# Altium PCB spin5v1_simple.PcbDoc (part 12 of 25)
Units mm, origin at the board's own origin, x right, y up, seen from the top; angles counter-clockwise.
Board outline 220.03 x 233.43 mm, 2 copper layers (TOP, BOTTOM), stack 0.176 mm thick; 1457 components, 4724 nets, 19245 pads, 25289 vias.
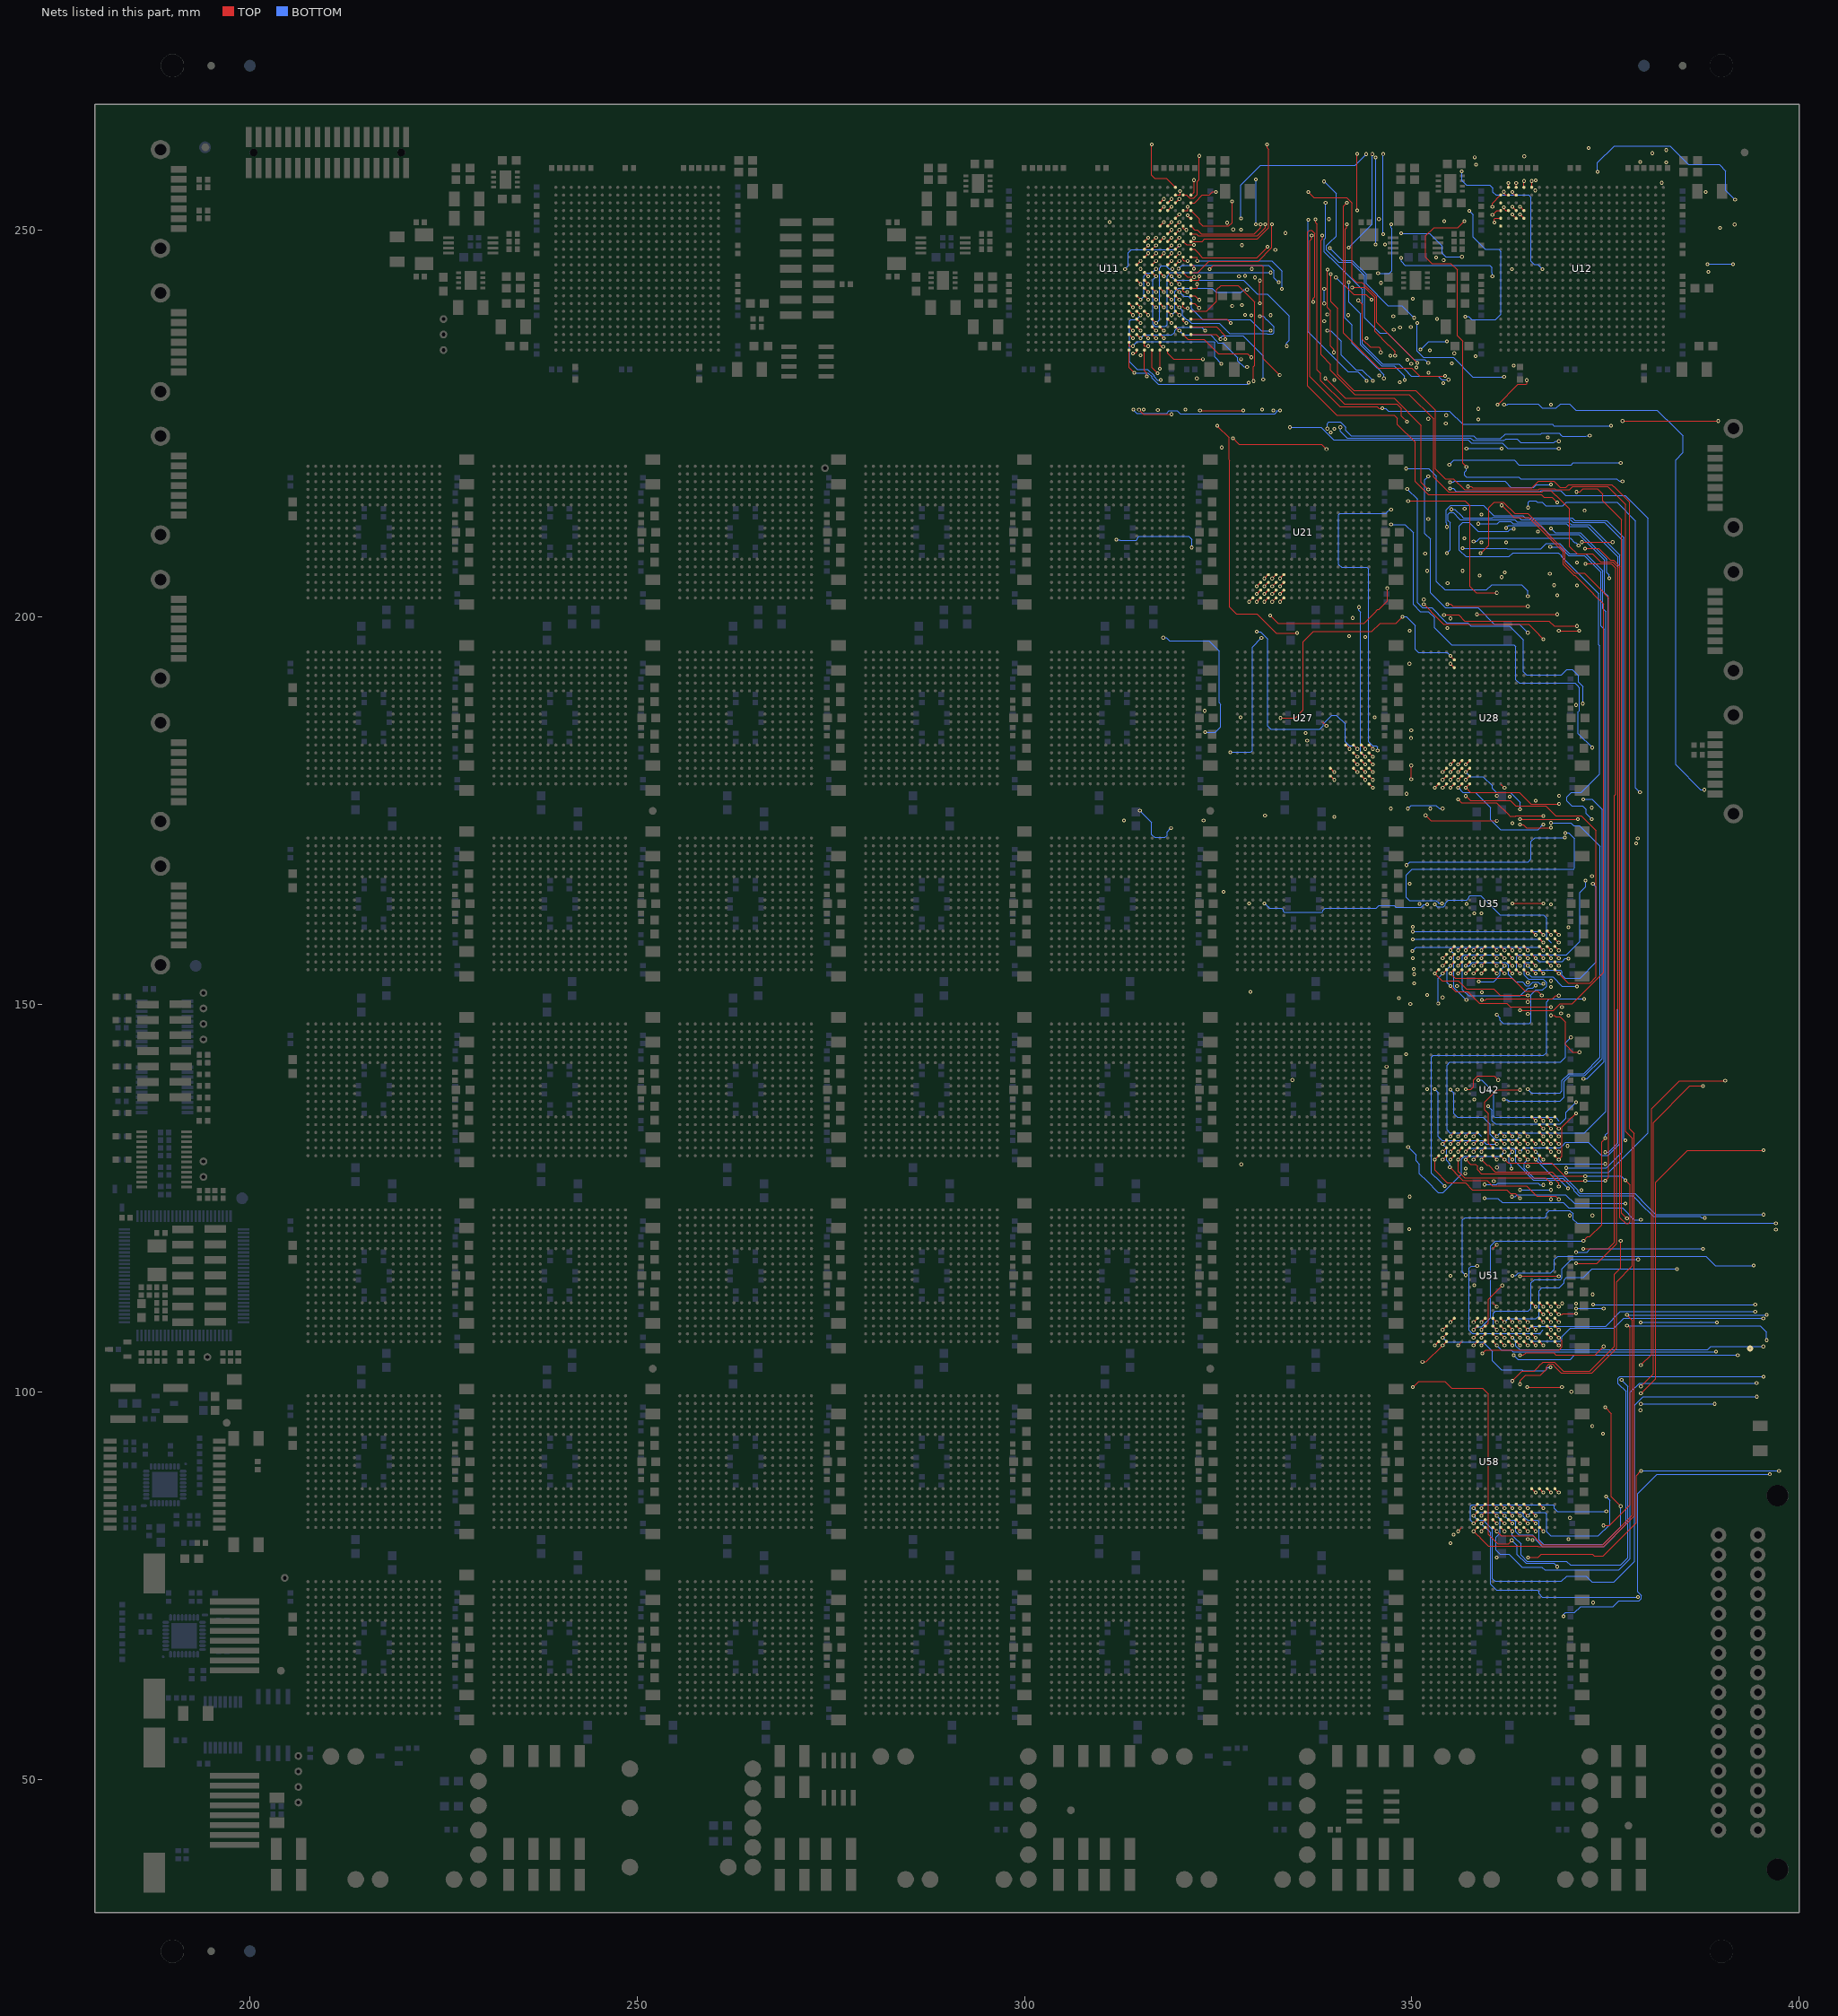
[diagram p12: the nets of this part, all layers, seen from the top]

## Via types
v1: diameter 0.48, hole 0.25, TOP to BOTTOM, 22348 vias
v2: diameter 0.61, hole 0.3, TOP to BOTTOM, 2059 vias
v3: diameter 0.8, hole 0, TOP to BOTTOM, 882 vias

## Nets (pads, with @x,y where several pads share a name; then routed paths per layer and width w, separated by ;. In a path a pad name is that pad's centre, name@x,y a point inside that pad or via, vN(x,y) a via of type N, cw(c..) or ccw(c..) an arc to the next point about the centre after c; other vN are vias at no path point) (continued)
S27_L1<14>: U27.U13 U28.B5 | length 36.4
  TOP w0.127: v1(333.066,186.996) 334.984,186.996 336,188.012 336,196.818 337.334,198.152 344.879,198.152 345.941,199.214 347.995,199.214 v1(348.838,200.057)
  BOTTOM w0.127: v1(348.838,200.057) 349.315,200.057 350.458,198.914 350.458,195.877 350.903,195.432 354.568,195.432 v1(355,195)
  other v1: 340,179
S27_L1<15>: U27.T13 U28.C5
  other v1: 340,180 355,194
S27_L2<0>: U21.R5 U27.R16
  other v1: 343,181 342.4,199.904 331,205
S27_L2<1>: U21.V3 U27.N15
  other v1: 342,183 344,197.467 329,202
S27_L2<2>: U21.V4 U27.N16 | length 28.8
  BOTTOM w0.127: v1(330,198.136) 330.478,198.136 331.431,197.183 331.431,185.95 331.812,185.569 338.124,185.569 338.569,186.014 338.569,186.219 339.712,187.362 340.288,187.362 341.431,186.219 341.431,183.939 341.939,183.431 342.569,183.431 v1(343,183)
  other v1: 339,186 330,202
S27_L2<3>: U21.U4 U27.N17
  other v1: 344,183 345.24,187.067 330,203
S27_L2<4>: U21.T4 U27.N18
  other v1: 345,183 336.513,184.067 330,204
S27_L2<5>: U21.V5 U27.P16
  other v1: 343,182 341.917,197.558 331,202
S27_L2<6>: U21.U5 U27.P17 | length 38.1
  TOP w0.127: v1(331.716,200.243) 332.748,199.211 343.845,199.211 345.433,200.799 345.433,200.84 345.632,201.039 345.775,201.039 346.855,202.119 v1(346.855,203.742)
  BOTTOM w0.127: v1(343.2,201.304) 343.2,200.873 343.431,200.642 343.431,182.569 v1(344,182)
  other v1: 331,203
S27_L2<7>: U21.T5 U27.P18 | length 18
  BOTTOM w0.127: v1(326.569,182.569) 329.232,182.569 329.431,182.768 329.431,196.167 v1(330.6,197.336)
  other v1: 345,182 331,204
S27_L2<8>: U21.R7 U27.V18
  other v1: 347.3,175.304 345,178 333,205
S27_L2<9>: U21.V6 U27.R17
  other v1: 344,181 332,202
S27_L2<10>: U21.U6 U27.R18
  other v1: 345,181 332,203
S27_L2<11>: U21.T6 U27.T16
  other v1: 343,180 332,204
S27_L2<12>: U21.R6 U27.T17
  other v1: 344,180 332,205
S27_L2<13>: U21.V7 U27.T18
  other v1: 345,180 333,202
S27_L2<14>: U21.U7 U27.U17
  other v1: 344,179 333,203
S27_L2<15>: U21.T7 U27.U18
  other v1: 345,179 333,204
S28_L0<0>: U11.M16 U35.R11
  other v1: 362,157 350.138,160.038 352.4,175.297 351.742,208.241 341.805,239.001 316,244
S28_L0<1>: U11.N16 U35.V10 | length 13.7
  BOTTOM w0.127: v1(348.658,246.4) 348.658,245.939 349.166,245.431 360.077,245.431 360.395,245.113 360.395,244.47 360.434,244.431 v1(360.434,244)
  other v1: 361,154 316,243
S28_L0<2>: U11.P16 U35.U10
  other v1: 361,155 355.008,199.857 316,242
S28_L0<3>: U11.P17 U35.T10 | length 8.5
  TOP w0.127: v1(343.119,240.907) 343.648,240.378 343.648,235.894 344.664,234.878 345.753,234.878 346.007,234.624 v1(346.007,234.193)
  other v1: 361,156 317,242 329.376,244.964
S28_L0<4>: U11.R16 U35.R10
  other v1: 361,157 329.297,238.985 339.11,239.107 316,241
S28_L0<5>: U11.R17 U35.V11 | length 10.5
  TOP w0.127: v1(354.608,201.681) 355.039,201.681 355.305,201.415 v1(365,201.415)
  other v1: 365,152.869 362,154 348.484,230.33 322.265,230.831 317,241
S28_L0<6>: U11.T17 U35.U11 | length 24.6
  BOTTOM w0.127: v1(317.917,197.359) 318.348,197.359 318.762,196.945 323.816,196.945 325.15,195.611 325.15,188.945 325.353,188.742 325.353,185.856 324.654,185.157 v1(323.333,185.157) ; v1(358.672,152.972) 360.605,152.972 361.431,153.798 361.431,154.431 v1(362,155)
  other v1: 331.068,174.421 327.931,187.069 317,240
S28_L0<7>: U11.U16 U35.T11 | length 20.3
  BOTTOM w0.127: 362,156 361.569,156.431 356.768,156.431 356.569,156.232 356.569,151.928 357.363,151.134 364.041,151.134 365.042,152.135 365.667,152.135 v1(366,152.468)
  other v1: 316,239
S28_L0<8>: U11.V17 U35.R9 | length 31.3
  TOP w0.127: v1(323.912,244.927) 324.416,245.431 330.634,245.431 330.833,245.232 330.833,233.404 v1(332.971,231.266)
  BOTTOM w0.127: v1(317,238) 317.431,238.431 317.431,245.108 317.685,245.362 318.272,245.362 318.668,244.966 v1(319.099,244.966)
  other v1: 359,157
S28_L0<9>: U11.W17 U35.V8
  other v1: 358,154 317,237
S28_L0<10>: U11.Y16 U35.U8
  other v1: 358,155 349.746,165.6 340,174.227 323.267,187.917 316,236
S28_L0<11>: U11.Y17 U35.T8
  other v1: 358,156 358.067,161.758 349.955,185.4 317,236
S28_L0<12>: U11.AA16 U35.R8
  other v1: 350.138,156 358,157 349.742,198.274 347.254,233.761 316,235
S28_L0<13>: U11.AA18 U35.V9
  other v1: 359,154 351,163 317.931,234.901
S28_L0<14>: U11.AB17 U35.U9
  other v1: 359,155 358.6,225.532 332.141,226.687 317.216,231.491
S28_L0<15>: U11.AB18 U35.T9
  other v1: 359,156 317.5,232.098
S28_L1<0>: U11.L15 U35.V16
  other v1: 367,154 315,246
S28_L1<1>: U11.N15 U35.V14 | length 78.5
  BOTTOM w0.127: v1(336.655,251.315) 336.655,236.841 341.799,231.697 343.033,231.697 v1(344.2,230.53) ; v1(349.427,216.556) 350.735,215.248 350.735,201.885 351.37,201.25 352.621,201.25 353.447,200.424 353.447,200.372 354.527,199.292 357.218,199.292 357.644,198.866 362.653,198.866 364.431,197.088 364.431,192.95 364.812,192.569 369.331,192.569 370.039,193.277 370.733,193.277 371.559,192.451 371.559,191.609 372.099,191.069 v1(372.099,188.85) ; v1(365,154) 365.446,153.554 368.224,153.554 369.425,152.353 v1(371.335,152.353)
  other v1: 315,243
S28_L1<2>: U11.R15 U35.U14 | length 92
  BOTTOM w0.127: v1(315,241) 315.431,241.431 315.431,244.05 315.812,244.431 316.465,244.431 v1(317,244.966) ; v1(340.217,243.865) 341.374,242.708 341.374,238.662 342.312,237.724 342.312,235.38 345.487,232.205 345.518,232.205 346.407,231.316 v1(346.407,230.83) ; v1(347.336,211.969) 349.147,211.969 350.227,210.889 350.227,201.631 351.116,200.742 352.177,200.742 352.939,199.98 352.939,198.654 355.162,196.431 363.232,196.431 363.431,196.232 363.431,191.941 363.876,191.496 371.106,191.496 371.305,191.297 371.305,191.266 371.668,190.903 371.668,187.951 371.5,187.783 371.5,184.998 v1(373.317,183.181) ; v1(365,155) 365.569,154.431 369.232,154.431 369.431,154.232 369.431,153.831 369.828,153.434 371.798,153.434 373.83,155.466 373.83,165.186 v1(373.399,165.617)
  other v1: 329.776,243.865
S28_L1<3>: U11.T14 U35.T14
  other v1: 365,156 314,240
S28_L1<4>: U11.T15 U35.R14
  other v1: 365,157 367.999,227.445 315,240 346.558,248.12
S28_L1<5>: U11.U14 U35.V15
  other v1: 366,154 372.316,213.761 356.845,214.005 355.5,234.083 314,239 326.833,240.17
S28_L1<6>: U11.U15 U35.U15 | length 30
  BOTTOM w0.127: v1(315,239) 314.431,238.431 313.768,238.431 313.569,238.232 313.569,233.001 314.585,231.985 315.914,231.985 316.74,231.159 316.74,231.075 317.185,230.63 v1(317.616,230.63) ; v1(361,148.693) 361.431,148.262 361.431,147.95 361.812,147.569 365.232,147.569 365.431,147.768 365.431,151.246 366.066,151.881 366.923,151.881 367.431,152.389 367.431,152.855 366.986,153.3 365.077,153.3 364.569,153.808 364.569,155.232 364.768,155.431 365.569,155.431 v1(366,155)
  other v1: 362.672,176.842 362.035,205.781 352,205.993 352.142,225.624 317.226,226.767 330.674,226.814
S28_L1<7>: U11.V15 U35.T15 | length 32.6
  BOTTOM w0.127: v1(349.327,168) 349.758,168.431 365.05,168.431 365.431,168.812 365.431,171.044 365.939,171.552 v1(369.8,171.552) ; v1(349.519,175.297) 349.95,175.728 353.145,175.728 353.569,175.304 v1(354,175.304) ; v1(366,156) 366.432,155.568 369.435,155.568 369.8,155.933 v1(370.231,155.933)
  other v1: 320.8,226.804 315.4,226.814 352.345,234.444 315,238
S28_L1<8>: U11.W14 U35.R13
  other v1: 364,157 359,161.759 352.173,231.576 327.964,233.317 315,233.831 314,237
S28_L1<9>: U11.W15 U35.V12
  other v1: 348.367,150.838 363,154 350.266,154.6 315,237
S28_L1<10>: U11.Y14 U35.U12
  other v1: 363,155 363.17,232.495 314,236 333.689,249.6 326.965,250.065
S28_L1<11>: U11.Y15 U35.T12 | length 9.2
  BOTTOM w0.127: v1(315,236) 315.432,236.432 319.05,236.432 319.431,236.813 319.431,237.05 319.812,237.431 322.888,237.431 v1(323.319,237)
  other v1: 363,156
S28_L1<12>: U11.AA14 U35.R12 | length 35.3
  TOP w0.127: v1(351.563,201.681) 353.424,199.82 353.424,199.81 354.123,199.111 365.097,199.111 366.431,197.777 366.431,197.732 v1(367,197.163) ; v1(362.998,163.069) v1(367,163.069)
  BOTTOM w0.127: 314,235 314.566,235.566 324.461,235.566 324.561,235.466 324.561,233.587 v1(325.421,232.727)
  other v1: 363,157 350.602,232.237
S28_L1<13>: U11.AB14 U35.V13 | length 64.6
  BOTTOM w0.127: v1(314.2,231.554) 315.978,231.554 316.486,231.046 316.486,230.91 317.312,230.084 328.784,230.084 v1(328.971,230.271) ; v1(340.8,224.52) 340.8,224.031 341.689,223.142 357.595,223.142 357.914,222.823 361.947,222.823 362.147,223.023 363.6,223.023 364.069,222.554 368.392,222.554 368.569,222.731 v1(369,222.731) ; v1(364,154) 363.568,154.432 363.568,156.177 363.822,156.431 369.983,156.431 371.698,158.146 371.698,164.448 372.465,165.215 v1(372.465,166.017)
S28_L1<14>: U11.AB15 U35.U13 | length 9.5
  TOP w0.127: v1(351.8,174.434) 352.507,173.727 v1(361,173.727)
  other v1: 364,155 349.717,194 340,224.32 340,230.63 314,234.065
S28_L1<15>: U11.AB16 U35.T13
  other v1: 364,156 325.472,221.916 315.801,231.092
S28_L2<0>: U28.R5 U35.R16 | length 17.3
  BOTTOM w0.127: v1(350.107,156.931) 350.607,157.431 366.569,157.431 v1(367,157)
  other v1: 355,181
S28_L2<1>: U28.V3 U35.N15
  other v1: 366,159 353,178
S28_L2<2>: U28.V4 U35.N16 | length 17
  BOTTOM w0.127: v1(350.138,159.431) 366.569,159.431 v1(367,159)
  other v1: 354,178
S28_L2<3>: U28.U4 U35.N17
  other v1: 368,159 368,162.931 366,176.321 354,179
S28_L2<4>: U28.T4 U35.N18 | length 35.3
  BOTTOM w0.127: v1(353.901,163.069) 353.47,163.069 353.47,163.113 353.152,163.431 349.692,163.431 349.311,163.812 349.311,166.742 350.073,167.504 370.951,167.504 371.051,167.604 371.051,171.397 370.289,172.159 v1(369.849,172.159)
  other v1: 369,159 354,180
S28_L2<5>: U28.V5 U35.P16 | length 17
  BOTTOM w0.127: v1(350.138,158.431) 366.569,158.431 v1(367,158)
  other v1: 355,178
S28_L2<6>: U28.U5 U35.P17 | length 20
  BOTTOM w0.127: v1(353,162.931) 353.293,162.638 354.133,162.638 354.332,162.837 354.332,163.053 354.777,163.498 357.113,163.498 357.431,163.816 357.431,163.966 357.531,164.066 358.943,164.066 361.443,161.566 367.05,161.566 367.431,161.185 367.431,158.569 368,158
  other v1: 355,179
S28_L2<7>: U28.T5 U35.P18
  other v1: 369,158 355,180
S28_L2<8>: U28.R7 U35.V18 | length 43.2
  TOP w0.127: v1(357,176.921) 357.596,176.325 362.75,176.325 363.439,175.636 367.296,175.636 368.582,174.35 371.925,174.35 373.83,172.445 373.83,153.578 373.036,152.784 370.216,152.784 v1(369,154)
  other v1: 357,181
S28_L2<9>: U28.V6 U35.R17 | length 14.4
  BOTTOM w0.127: v1(356,178) 356.597,177.403 358.224,177.403 360.193,175.434 360.193,173.867 361.463,172.597 366.335,172.597 v1(367,173.262)
  other v1: 368,157
S28_L2<10>: U28.U6 U35.R18
  other v1: 368,152.268 350.339,153.935 369,157 356,179
S28_L2<11>: U28.T6 U35.T16 | length 11.9
  TOP w0.127: v1(356,176.504) 356.433,176.071 360.972,176.071 362.496,174.547 362.496,174.542 362.695,174.343 363.423,174.343 363.43,174.35 v1(367,174.35)
  other v1: 367,156 356,180
S28_L2<12>: U28.R6 U35.T17 | length 5.9
  TOP w0.127: v1(349.955,179.095) v1(349.955,180.862) ; v1(364,173.228) 364.431,173.228 364.828,172.831 v1(368,172.831)
  other v1: 368,156 356,181
S28_L2<13>: U28.V7 U35.T18 | length 12.9
  TOP w0.127: v1(357,178) 357.597,177.403 363.918,177.403 365.431,175.89 v1(369.05,175.89)
  other v1: 369,156 370.231,160
S28_L2<14>: U28.U7 U35.U17
  other v1: 368,155 357.099,163 357,179
S28_L2<15>: U28.T7 U35.U18 | length 9.7
  BOTTOM w0.127: v1(357,180) 357.569,179.431 359.24,179.431 360.447,178.224 360.447,177.911 360.955,177.403 362.73,177.403 364,176.133 v1(364,175.205)
  other v1: 369,155 362,178
S29_L0<0>: U11.M17 U42.R11 | length 115.8
  BOTTOM w0.127: v1(317,244) 316.568,243.568 316.568,237.823 316.822,237.569 318.232,237.569 318.431,237.768 318.431,244.051 318.876,244.496 v1(331.802,244.496) ; v1(339.117,224.343) 339.117,225.006 339.316,225.205 340.786,225.205 341.485,224.506 341.485,224.095 342.184,223.396 358.008,223.396 358.327,223.077 361.493,223.077 362.093,223.677 366.709,223.677 366.801,223.769 369.055,223.769 369.254,223.57 369.254,223.553 369.453,223.354 372.475,223.354 372.569,223.448 v1(373,223.448) ; v1(361.912,137.742) 362.343,137.742 362.516,137.569 369.178,137.569 369.686,138.077 369.686,140.085 370.448,140.847 372.369,140.847 374.592,143.07 374.592,175.163 373.258,176.497 v1(372.16,176.497)
  other v1: 362,133 338.71,238.201 331.802,239.001
S29_L0<1>: U11.M18 U42.V10
  other v1: 370.431,122.778 373.344,122.778 361,130 366.299,211.056 318,244 327.705,243.996 362.961,244.931
S29_L0<2>: U11.M19 U42.U10 | length 38.3
  TOP w0.127: U42.U10@360.5,131.5 359.891,132.109 359.891,135.916 359.434,136.373 359.434,137.408 361.022,138.996 v1(364,138.996) ; v1(361.108,227.445) 363.747,230.084 364.796,230.084 364.867,230.155 v1(364.867,230.602)
  BOTTOM w0.127: v1(319,244) 319.504,243.496 328.317,243.496 330.063,241.75 331.367,241.75 334.225,238.892 334.225,235.786 333.87,235.431 v1(333.87,235)
  other v1: 355.171,232.769
S29_L0<3>: U11.N19 U42.T10 | length 14.3
  BOTTOM w0.127: v1(353,139.069) 353.431,138.638 353.431,132.939 353.939,132.431 359.178,132.431 359.609,132 v1(361,132)
  other v1: 354.608,198.607 356.594,205.995 347.634,238.87 319,243
S29_L0<4>: U11.N20 U42.R10 | length 136.3
  BOTTOM w0.127: v1(319.901,245) 320.332,245.431 331.534,245.431 332.233,244.732 332.233,243.835 v1(332.827,243.241) ; v1(341.881,243.241) 341.881,240.697 343.394,239.184 343.394,235.19 346.125,232.459 347.757,232.459 349.091,231.125 v1(349.091,230.637) ; v1(356.594,208.902) 362.28,208.902 362.361,208.821 366.694,208.821 367.375,209.502 369.117,209.502 370.006,208.613 370.006,208.585 370.403,208.188 372.451,208.188 374.674,205.965 374.674,201.151 375.1,200.725 375.1,136.225 372.306,133.431 361.431,133.431 361,133
  other v1: 320,243
S29_L0<5>: U11.N22 U42.V11 | length 126.3
  TOP w0.127: v1(326.941,223.116) 327.431,222.626 327.431,222.605 327.685,222.351 338.344,222.351 v1(339,221.695) ; v1(362,130) 362.464,129.536 368.063,129.536 369.333,128.266 369.333,128.25 369.73,127.853 v1(372.413,127.853) ; v1(372.381,208.873) 374.163,208.873 375.632,207.404 376.052,207.404 376.878,206.578 376.878,122.501 377.672,121.707 377.977,121.707 378.231,121.961 378.231,126.693 v1(377.6,127.324)
  BOTTOM w0.127: v1(372.413,127.853) 377.071,127.853 v1(377.6,127.324)
  other v1: 322.566,243.998
S29_L0<6>: U11.P20 U42.U11 | length 39.6
  TOP w0.127: v1(357,139.069) 357.672,139.069 357.99,139.387 357.99,140.288 358.498,140.796 360.637,140.796 v1(361.175,140.258)
  BOTTOM w0.127: v1(320,242) 320.569,241.431 321.189,241.431 321.586,241.034 321.586,239.892 323.047,238.431 329.177,238.431 330.608,237 v1(331.802,237) ; v1(349.542,131.622) 350.569,130.595 350.569,129.822 351,129.391 351,128.159 351.889,127.27 351.927,127.27 353.443,125.754 354.081,125.754 356.431,128.104 356.431,130.05 356.812,130.431 361.431,130.431 v1(362,131)
  other v1: 358.263,233.689
S29_L0<7>: U11.P21 U42.T11 | length 11
  TOP w0.127: v1(339.141,244.896) 339.141,239.996 339.549,239.588 339.549,235.024 339.948,234.625 v1(339.948,234.194)
  other v1: 359,128.809 362,132 321.034,242 328.505,244.065
S29_L0<8>: U11.P22 U42.R9 | length 106.2
  TOP w0.127: v1(337.282,240.701) 337.282,241.132 337.517,241.367 337.517,249.553 337.12,249.95 336.851,249.95 336.597,249.696 336.597,229.854 340.344,226.107 347.725,226.107 348.17,225.662 348.17,224.9 350.458,222.612 350.458,217.525 352.173,215.81 366.757,215.81 367.075,215.492 368.115,215.492 v1(368.8,214.807) ; v1(369,198.254) v1(371.636,198.254)
  BOTTOM w0.127: 359,133 358.569,133.431 354.95,133.431 354.569,133.812 354.569,142.185 354.95,142.566 369.227,142.566 369.862,143.201 369.862,145.066 v1(370.557,145.761)
  other v1: 322.312,243
S29_L0<9>: U11.R20 U42.V8
  other v1: 358,130 358.067,137.742 320,241
S29_L0<10>: U11.R22 U42.U8 | length 34.2
  TOP w0.127: v1(324.9,224.721) 326.411,223.21 326.411,220.365 326.519,220.257 326.519,201.276 327.345,200.45 330.039,200.45 332.531,197.958 v1(335.2,197.958)
  other v1: 358,131 334.6,140.258 346.77,141.992 322.566,240.968
S29_L0<11>: U11.T20 U42.T8 | length 17.2
  BOTTOM w0.127: v1(320,240) 320.432,239.568 320.432,238.939 320.94,238.431 321.086,238.431 321.578,237.939 325.167,237.939 326.503,236.603 331.324,236.603 331.358,236.569 332.034,236.569 332.233,236.768 332.233,237.479 331.28,238.432 331.263,238.432 330.833,238.862 v1(330.402,238.862)
  other v1: 358,132 361.635,205.174 358.794,205.396 344.2,236
S29_L0<12>: U11.T21 U42.R8
  other v1: 358,133 352,151.238 321.068,239.907
S29_L0<13>: U11.T22 U42.V9 | length 126.4
  TOP w0.127: v1(322.665,226.685) v1(328.262,226.685) ; v1(358.897,208.272) 359.939,209.314 359.939,214.171 360.638,214.87 361.83,214.87 363.317,213.383 365.013,213.383 369.839,208.557 369.839,206.952 371.109,205.682 372.274,205.682 374.243,203.713 374.243,203.708 375.431,202.52 375.431,127.677 v1(375,127.246) ; v1(359,130) 359.76,129.24 359.939,129.24 360.777,128.402 368.126,128.402 369.079,127.449 369.079,127.445 369.278,127.246 v1(372.413,127.246)
  BOTTOM w0.127: v1(372.413,127.246) v1(375,127.246)
  other v1: 322.555,239.931
S29_L0<14>: U11.U20 U42.U9 | length 84.9
  BOTTOM w0.127: v1(357.069,221.792) v1(361.635,221.792) ; v1(359.865,136.865) 360.371,136.359 360.371,135.014 360.816,134.569 369.178,134.569 369.94,135.331 369.94,136.11 v1(371.238,137.408) ; v1(363.2,211.391) 362.769,211.391 362.453,211.075 358.563,211.075 357.409,212.229 356.608,212.229 356.163,211.784 356.163,208.667 356.989,207.841 362.587,207.841 363.071,208.325 368.95,208.325 369.331,207.944 369.331,207.861 371.363,205.829 371.372,205.829 374.166,203.035 374.166,196.423 374.281,196.308 374.281,179.772 371.868,177.359 370.596,177.359 370.024,176.787 370.024,176.278 370.659,175.643 372.095,175.643 372.54,175.198 372.54,174.644 v1(373.265,173.919)
  other v1: 359,131 320,239
S29_L0<15>: U11.U22 U42.T9 | length 21.7
  TOP w0.127: U11.U22@321.5,239.5 323.545,239.5 324.815,240.77 324.815,242.276 325.387,242.848 327.569,242.848 329.728,240.689 329.728,232.514 329.578,232.364 v1(329.578,230.486)
  other v1: 359,132 349.327,177.215 339.57,223.866
S29_L1<0>: U11.P18 U42.V16 | length 74.8
  BOTTOM w0.127: v1(367.9,209.071) 369.188,209.071 369.585,208.674 369.585,208.633 370.284,207.934 372.324,207.934 374.42,205.838 374.42,198.865 374.846,198.439 374.846,142.639 372.623,140.416 v1(372.191,140.416)
  other v1: 367,130 359,209.674 318,242
S29_L1<1>: U11.P19 U42.V14 | length 116.8
  BOTTOM w0.127: v1(350.714,238) 350.714,234.355 351.54,233.529 355.37,233.529 357.866,231.033 v1(361.935,231.033) ; v1(361.935,227.445) 362.366,227.445 362.467,227.546 366.347,227.546 366.879,227.014 368.672,227.014 369.204,227.546 370.417,227.546 371.215,226.748 381.707,226.748 382.861,225.594 382.886,225.594 385.045,223.435 385.045,221.258 384.088,220.301 384.088,180.972 387.327,177.733 v1(387.801,177.733) ; v1(365,130) 364.569,129.569 364.569,128.877 365.839,127.607 369.494,127.607 370.955,126.146 370.955,125.982 371.59,125.347 378.529,125.347 379.418,124.458 379.418,124.421 381.196,122.643 387.246,122.643 387.423,122.466 v1(387.854,122.466)
  other v1: 319,242
S29_L1<2>: U11.R19 U42.U14 | length 41.1
  BOTTOM w0.127: v1(339.11,237) 339.585,237 340.919,235.666 340.919,233.856 342.824,231.951 343.579,231.951 v1(345,230.53) ; v1(349.265,219.201) 352.178,219.201 353.194,218.185 353.194,204.613 354.274,203.533 359.693,203.533 360.355,204.195 364.174,204.195 365,203.369 v1(365,202.726)
  other v1: 365,131 319,241
S29_L1<3>: U11.T18 U42.T14
  other v1: 365,132 352,139.067 349.826,150.066 312.852,173.758 323.135,173.758 318,240
S29_L1<4>: U11.T19 U42.R14 | length 47
  BOTTOM w0.127: v1(365,139.067) 365.464,138.603 369.178,138.603 369.432,138.857 369.432,140.212 370.321,141.101 372.242,141.101 374.338,143.197 374.338,170.431 371.671,173.098 370.909,173.098 370.569,173.438 v1(368,173.438)

## Text inside footprints (layer, text, board x,y; h text height)
U19: PIN_NUMBER "M17" at 295.166,208.5 h0.24; PIN_NUMBER "J18" at 296.166,211.5 h0.24; PIN_NUMBER "M18" at 296.166,208.5 h0.24; PIN_NUMBER "J17" at 295.166,211.5 h0.24; PIN_NUMBER "B18" at 296.166,218.5 h0.24; PIN_NUMBER "G16" at 294.166,213.5 h0.24; PIN_NUMBER "C16" at 294.166,217.5 h0.24; PIN_NUMBER "G17" at 295.166,213.5 h0.24; PIN_NUMBER "C13" at 291.166,217.5 h0.24; PIN_NUMBER "B13" at 291.166,218.5 h0.24; PIN_NUMBER "A13" at 291.166,219.5 h0.24; PIN_NUMBER "D14" at 292.166,216.5 h0.24; PIN_NUMBER "C14" at 292.166,217.5 h0.24; PIN_NUMBER "B14" at 292.166,218.5 h0.24; PIN_NUMBER "A14" at 292.166,219.5 h0.24; PIN_NUMBER "J16" at 294.166,211.5 h0.24; PIN_NUMBER "C17" at 295.166,217.5 h0.24; PIN_NUMBER "C18" at 296.166,217.5 h0.24; PIN_NUMBER "K17" at 295.166,210.5 h0.24; PIN_NUMBER "K18" at 296.166,210.5 h0.24; PIN_NUMBER "L15" at 293.166,209.5 h0.24; PIN_NUMBER "L16" at 294.166,209.5 h0.24; PIN_NUMBER "C15" at 293.166,217.5 h0.24; PIN_NUMBER "B15" at 293.166,218.5 h0.24; PIN_NUMBER "A15" at 293.166,219.5 h0.24; PIN_NUMBER "B16" at 294.166,218.5 h0.24; PIN_NUMBER "A16" at 294.166,219.5 h0.24; PIN_NUMBER "A17" at 295.166,219.5 h0.24; PIN_NUMBER "A18" at 296.166,219.5 h0.24; PIN_NUMBER "B17" at 295.166,218.5 h0.24; PIN_NUMBER "B12" at 290.166,218.5 h0.24; PIN_NUMBER "C12" at 290.166,217.5 h0.24; PIN_NUMBER "D16" at 294.166,216.5 h0.24; PIN_NUMBER "A12" at 290.166,219.5 h0.24; PIN_NUMBER "D13" at 291.166,216.5 h0.24; PIN_NUMBER "K15" at 293.166,210.5 h0.24; PIN_NUMBER "K16" at 294.166,210.5 h0.24; PIN_NUMBER "D17" at 295.166,216.5 h0.24; PIN_NUMBER "D18" at 296.166,216.5 h0.24; PIN_NUMBER "E16" at 294.166,215.5 h0.24; PIN_NUMBER "E17" at 295.166,215.5 h0.24; PIN_NUMBER "E18" at 296.166,215.5 h0.24; PIN_NUMBER "F16" at 294.166,214.5 h0.24; PIN_NUMBER "M16" at 294.166,208.5 h0.24; PIN_NUMBER "D12" at 290.166,216.5 h0.24; PIN_NUMBER "K2" at 279.854,210.5 h0.24; PIN_NUMBER "H3" at 280.854,212.5 h0.24; PIN_NUMBER "K3" at 280.854,210.5 h0.24; PIN_NUMBER "H4" at 281.854,212.5 h0.24; PIN_NUMBER "K1" at 278.624,210.5 h0.24; PIN_NUMBER "L4" at 281.854,209.5 h0.24; PIN_NUMBER "G3" at 280.854,213.5 h0.24; PIN_NUMBER "L3" at 280.854,209.5 h0.24; PIN_NUMBER "G4" at 281.854,213.5 h0.24; PIN_NUMBER "L2" at 279.854,209.5 h0.24; PIN_NUMBER "H1" at 278.624,212.5 h0.24; PIN_NUMBER "L1" at 278.624,209.5 h0.24; PIN_NUMBER "H2" at 279.854,212.5 h0.24; PIN_NUMBER "K4" at 281.854,210.5 h0.24; PIN_NUMBER "G2" at 279.854,213.5 h0.24; PIN_NUMBER "G1" at 278.624,213.5 h0.24; PIN_NUMBER "M2" at 279.854,208.5 h0.24; PIN_NUMBER "J2" at 279.854,211.5 h0.24; PIN_NUMBER "J1" at 278.624,211.5 h0.24; PIN_NUMBER "M4" at 281.854,208.5 h0.24; PIN_NUMBER "J3" at 280.854,211.5 h0.24; PIN_NUMBER "J4" at 281.854,211.5 h0.24; PIN_NUMBER "D2" at 279.854,216.5 h0.24; PIN_NUMBER "F4" at 281.854,214.5 h0.24; PIN_NUMBER "N1" at 278.624,207.5 h0.24; PIN_NUMBER "R3" at 280.854,205.5 h0.24; PIN_NUMBER "A1" at 278.624,219.5 h0.24; PIN_NUMBER "E1" at 278.624,215.5 h0.24; PIN_NUMBER "E2" at 279.854,215.5 h0.24; PIN_NUMBER "E3" at 280.854,215.5 h0.24; PIN_NUMBER "E4" at 281.854,215.5 h0.24; PIN_NUMBER "F1" at 278.624,214.5 h0.24; PIN_NUMBER "F2" at 279.854,214.5 h0.24; PIN_NUMBER "N3" at 280.854,207.5 h0.24; PIN_NUMBER "N4" at 281.854,207.5 h0.24; PIN_NUMBER "P1" at 278.624,206.5 h0.24; PIN_NUMBER "P2" at 279.854,206.5 h0.24; PIN_NUMBER "A2" at 279.854,219.5 h0.24; PIN_NUMBER "P3" at 280.854,206.5 h0.24; PIN_NUMBER "P4" at 281.854,206.5 h0.24; PIN_NUMBER "R1" at 278.624,205.5 h0.24; PIN_NUMBER "R2" at 279.854,205.5 h0.24; PIN_NUMBER "T1" at 278.624,204.5 h0.24; PIN_NUMBER "T2" at 279.854,204.5 h0.24; PIN_NUMBER "T3" at 280.854,204.5 h0.24; PIN_NUMBER "U1" at 278.624,203.5 h0.24; PIN_NUMBER "U2" at 279.854,203.5 h0.24; PIN_NUMBER "U3" at 280.854,203.5 h0.24; PIN_NUMBER "B1" at 278.624,218.5 h0.24; PIN_NUMBER "V1" at 278.624,202.5 h0.24; PIN_NUMBER "V2" at 279.854,202.5 h0.24; PIN_NUMBER "B2" at 279.854,218.5 h0.24; PIN_NUMBER "B3" at 280.854,218.5 h0.24; PIN_NUMBER "C1" at 278.624,217.5 h0.24; PIN_NUMBER "C2" at 279.854,217.5 h0.24; PIN_NUMBER "C3" at 280.854,217.5 h0.24; PIN_NUMBER "D3" at 280.854,216.5 h0.24; PIN_NUMBER "D4" at 281.854,216.5 h0.24; PIN_NUMBER "D1" at 278.624,216.5 h0.24; PIN_NUMBER "F3" at 280.854,214.5 h0.24; PIN_NUMBER "N2" at 279.854,207.5 h0.24; PIN_NUMBER "R4" at 281.854,205.5 h0.24; PIN_NUMBER "M1" at 278.624,208.5 h0.24; PIN_NUMBER "M3" at 280.854,208.5 h0.24; PIN_NUMBER "U16" at 294.166,203.5 h0.24; PIN_NUMBER "V17" at 295.166,202.5 h0.24; PIN_NUMBER "D15" at 293.166,216.5 h0.24; PIN_NUMBER "E15" at 293.166,215.5 h0.24; PIN_NUMBER "F15" at 293.166,214.5 h0.24; PIN_NUMBER "J15" at 293.166,211.5 h0.24; PIN_NUMBER "P15" at 293.166,206.5 h0.24; PIN_NUMBER "R15" at 293.166,205.5 h0.24; PIN_NUMBER "G18" at 296.166,213.5 h0.24; PIN_NUMBER "P14" at 292.166,206.5 h0.24; PIN_NUMBER "N13" at 291.166,207.5 h0.24; PIN_NUMBER "N14" at 292.166,207.5 h0.24; PIN_NUMBER "M12" at 290.166,208.5 h0.24; PIN_NUMBER "M13" at 291.166,208.5 h0.24; PIN_NUMBER "M14" at 292.166,208.5 h0.24; PIN_NUMBER "H12" at 290.166,212.5 h0.24; PIN_NUMBER "H13" at 291.166,212.5 h0.24; PIN_NUMBER "H14" at 292.166,212.5 h0.24; PIN_NUMBER "E6" at 283.854,215.5 h0.24; PIN_NUMBER "E7" at 284.854,215.5 h0.24; PIN_NUMBER "F7" at 284.854,214.5 h0.24; PIN_NUMBER "E8" at 285.854,215.5 h0.24; PIN_NUMBER "F8" at 285.854,214.5 h0.24; PIN_NUMBER "L5" at 282.854,209.5 h0.24; PIN_NUMBER "L6" at 283.854,209.5 h0.24; PIN_NUMBER "L7" at 284.854,209.5 h0.24; PIN_NUMBER "G7" at 284.854,213.5 h0.24; PIN_NUMBER "G5" at 282.854,213.5 h0.24; PIN_NUMBER "G6" at 283.854,213.5 h0.24; PIN_NUMBER "F5" at 282.854,214.5 h0.24; PIN_NUMBER "F6" at 283.854,214.5 h0.24; PIN_NUMBER "E5" at 282.854,215.5 h0.24; PIN_NUMBER "P11" at 289.166,206.5 h0.24; PIN_NUMBER "N11" at 289.166,207.5 h0.24; PIN_NUMBER "P12" at 290.166,206.5 h0.24; PIN_NUMBER "N12" at 290.166,207.5 h0.24; PIN_NUMBER "P13" at 291.166,206.5 h0.24; PIN_NUMBER "K12" at 290.166,210.5 h0.24; PIN_NUMBER "K13" at 291.166,210.5 h0.24; PIN_NUMBER "K14" at 292.166,210.5 h0.24; PIN_NUMBER "E10" at 287.936,215.5 h0.24; PIN_NUMBER "F10" at 287.936,214.5 h0.24; PIN_NUMBER "J5" at 282.854,211.5 h0.24; PIN_NUMBER "J6" at 283.854,211.5 h0.24; PIN_NUMBER "J7" at 284.854,211.5 h0.24; PIN_NUMBER "N9" at 286.854,207.5 h0.24; PIN_NUMBER "P9" at 286.854,206.5 h0.24; PIN_NUMBER "R17" at 295.166,205.5 h0.24; PIN_NUMBER "V18" at 296.166,202.5 h0.24; PIN_NUMBER "P18" at 296.166,206.5 h0.24; PIN_NUMBER "P17" at 295.166,206.5 h0.24; PIN_NUMBER "P16" at 294.166,206.5 h0.24; PIN_NUMBER "N18" at 296.166,207.5 h0.24; PIN_NUMBER "N17" at 295.166,207.5 h0.24; PIN_NUMBER "N16" at 294.166,207.5 h0.24; PIN_NUMBER "N15" at 293.166,207.5 h0.24; PIN_NUMBER "U18" at 296.166,203.5 h0.24; PIN_NUMBER "U17" at 295.166,203.5 h0.24; PIN_NUMBER "T18" at 296.166,204.5 h0.24; PIN_NUMBER "T17" at 295.166,204.5 h0.24; PIN_NUMBER "T16" at 294.166,204.5 h0.24; PIN_NUMBER "R18" at 296.166,205.5 h0.24; PIN_NUMBER "R16" at 294.166,205.5 h0.24; PIN_NUMBER "V12" at 290.166,202.5 h0.24; PIN_NUMBER "R13" at 291.166,205.5 h0.24; PIN_NUMBER "T15" at 293.166,204.5 h0.24; PIN_NUMBER "U15" at 293.166,203.5 h0.24; PIN_NUMBER "V15" at 293.166,202.5 h0.24; PIN_NUMBER "R14" at 292.166,205.5 h0.24; PIN_NUMBER "T14" at 292.166,204.5 h0.24; PIN_NUMBER "U14" at 292.166,203.5 h0.24; PIN_NUMBER "V14" at 292.166,202.5 h0.24; PIN_NUMBER "T13" at 291.166,204.5 h0.24; PIN_NUMBER "U13" at 291.166,203.5 h0.24; PIN_NUMBER "V13" at 291.166,202.5 h0.24; PIN_NUMBER "R12" at 290.166,205.5 h0.24; PIN_NUMBER "T12" at 290.166,204.5 h0.24; PIN_NUMBER "U12" at 290.166,203.5 h0.24; PIN_NUMBER "V16" at 294.166,202.5 h0.24; PIN_NUMBER "V8" at 285.854,202.5 h0.24; PIN_NUMBER "R9" at 286.854,205.5 h0.24; PIN_NUMBER "T11" at 289.166,204.5 h0.24; PIN_NUMBER "U11" at 289.166,203.5 h0.24; PIN_NUMBER "V11" at 289.166,202.5 h0.24; PIN_NUMBER "R10" at 287.936,205.5 h0.24; PIN_NUMBER "T10" at 287.936,204.5 h0.24; PIN_NUMBER "U10" at 287.936,203.5 h0.24; PIN_NUMBER "V10" at 287.936,202.5 h0.24; PIN_NUMBER "T9" at 286.854,204.5 h0.24; PIN_NUMBER "U9" at 286.854,203.5 h0.24; PIN_NUMBER "V9" at 286.854,202.5 h0.24; PIN_NUMBER "R8" at 285.854,205.5 h0.24; PIN_NUMBER "T8" at 285.854,204.5 h0.24; PIN_NUMBER "U8" at 285.854,203.5 h0.24; PIN_NUMBER "R11" at 289.166,205.5 h0.24; PIN_NUMBER "A8" at 285.854,219.5 h0.24; PIN_NUMBER "D9" at 286.854,216.5 h0.24; PIN_NUMBER "C11" at 289.166,217.5 h0.24; PIN_NUMBER "B11" at 289.166,218.5 h0.24; PIN_NUMBER "A11" at 289.166,219.5 h0.24; PIN_NUMBER "D10" at 287.936,216.5 h0.24; PIN_NUMBER "C10" at 287.936,217.5 h0.24; PIN_NUMBER "B10" at 287.936,218.5 h0.24; PIN_NUMBER "A10" at 287.936,219.5 h0.24; PIN_NUMBER "C9" at 286.854,217.5 h0.24; PIN_NUMBER "B9" at 286.854,218.5 h0.24; PIN_NUMBER "A9" at 286.854,219.5 h0.24; PIN_NUMBER "D8" at 285.854,216.5 h0.24; PIN_NUMBER "C8" at 285.854,217.5 h0.24; PIN_NUMBER "B8" at 285.854,218.5 h0.24; PIN_NUMBER "D11" at 289.166,216.5 h0.24; PIN_NUMBER "V6" at 283.854,202.5 h0.24; PIN_NUMBER "R7" at 284.854,205.5 h0.24; PIN_NUMBER "T5" at 282.854,204.5 h0.24; PIN_NUMBER "U5" at 282.854,203.5 h0.24; PIN_NUMBER "V5" at 282.854,202.5 h0.24; PIN_NUMBER "T4" at 281.854,204.5 h0.24; PIN_NUMBER "U4" at 281.854,203.5 h0.24; PIN_NUMBER "V4" at 281.854,202.5 h0.24; PIN_NUMBER "V3" at 280.854,202.5 h0.24; PIN_NUMBER "T7" at 284.854,204.5 h0.24; PIN_NUMBER "U7" at 284.854,203.5 h0.24; PIN_NUMBER "V7" at 284.854,202.5 h0.24; PIN_NUMBER "R6" at 283.854,205.5 h0.24; PIN_NUMBER "T6" at 283.854,204.5 h0.24; PIN_NUMBER "U6" at 283.854,203.5 h0.24; PIN_NUMBER "R5" at 282.854,205.5 h0.24; PIN_NUMBER "A3" at 280.854,219.5 h0.24; PIN_NUMBER "D5" at 282.854,216.5 h0.24; PIN_NUMBER "C7" at 284.854,217.5 h0.24; PIN_NUMBER "B7" at 284.854,218.5 h0.24; PIN_NUMBER "A7" at 284.854,219.5 h0.24; PIN_NUMBER "D6" at 283.854,216.5 h0.24; PIN_NUMBER "C6" at 283.854,217.5 h0.24; PIN_NUMBER "B6" at 283.854,218.5 h0.24; PIN_NUMBER "A6" at 283.854,219.5 h0.24; PIN_NUMBER "C5" at 282.854,217.5 h0.24; PIN_NUMBER "B5" at 282.854,218.5 h0.24; PIN_NUMBER "A5" at 282.854,219.5 h0.24; PIN_NUMBER "C4" at 281.854,217.5 h0.24; PIN_NUMBER "B4" at 281.854,218.5 h0.24; PIN_NUMBER "A4" at 281.854,219.5 h0.24; PIN_NUMBER "D7" at 284.854,216.5 h0.24; PIN_NUMBER "H16" at 294.166,212.5 h0.24; PIN_NUMBER "H15" at 293.166,212.5 h0.24; PIN_NUMBER "F17" at 295.166,214.5 h0.24; PIN_NUMBER "F18" at 296.166,214.5 h0.24; PIN_NUMBER "L12" at 290.166,209.5 h0.24; PIN_NUMBER "L13" at 291.166,209.5 h0.24; PIN_NUMBER "L14" at 292.166,209.5 h0.24; PIN_NUMBER "L17" at 295.166,209.5 h0.24; PIN_NUMBER "L18" at 296.166,209.5 h0.24; PIN_NUMBER "J12" at 290.166,211.5 h0.24; PIN_NUMBER "J13" at 291.166,211.5 h0.24; PIN_NUMBER "J14" at 292.166,211.5 h0.24; PIN_NUMBER "H17" at 295.166,212.5 h0.24; PIN_NUMBER "H18" at 296.166,212.5 h0.24; PIN_NUMBER "G12" at 290.166,213.5 h0.24; PIN_NUMBER "G13" at 291.166,213.5 h0.24; PIN_NUMBER "G14" at 292.166,213.5 h0.24; PIN_NUMBER "F13" at 291.166,214.5 h0.24; PIN_NUMBER "F14" at 292.166,214.5 h0.24; PIN_NUMBER "E14" at 292.166,215.5 h0.24; PIN_NUMBER "F11" at 289.166,214.5 h0.24; PIN_NUMBER "E11" at 289.166,215.5 h0.24; PIN_NUMBER "F12" at 290.166,214.5 h0.24; PIN_NUMBER "E12" at 290.166,215.5 h0.24; PIN_NUMBER "E13" at 291.166,215.5 h0.24; PIN_NUMBER "P5" at 282.854,206.5 h0.24; PIN_NUMBER "N6" at 283.854,207.5 h0.24; PIN_NUMBER "N5" at 282.854,207.5 h0.24; PIN_NUMBER "M5" at 282.854,208.5 h0.24; PIN_NUMBER "M6" at 283.854,208.5 h0.24; PIN_NUMBER "M7" at 284.854,208.5 h0.24; PIN_NUMBER "K5" at 282.854,210.5 h0.24; PIN_NUMBER "K6" at 283.854,210.5 h0.24; PIN_NUMBER "K7" at 284.854,210.5 h0.24; PIN_NUMBER "H5" at 282.854,212.5 h0.24; PIN_NUMBER "H6" at 283.854,212.5 h0.24; PIN_NUMBER "H7" at 284.854,212.5 h0.24; PIN_NUMBER "P6" at 283.854,206.5 h0.24; PIN_NUMBER "N7" at 284.854,207.5 h0.24; PIN_NUMBER "P7" at 284.854,206.5 h0.24; PIN_NUMBER "N8" at 285.854,207.5 h0.24; PIN_NUMBER "P8" at 285.854,206.5 h0.24; PIN_NUMBER "P10" at 287.936,206.5 h0.24; PIN_NUMBER "N10" at 287.936,207.5 h0.24; PIN_NUMBER "E9" at 286.854,215.5 h0.24; PIN_NUMBER "F9" at 286.854,214.5 h0.24; PIN_NUMBER "G15" at 293.166,213.5 h0.24; PIN_NUMBER "M15" at 293.166,208.5 h0.24